# Altium PCB GEM_AFE_128.PcbDoc (part 8 of 18) (continued)
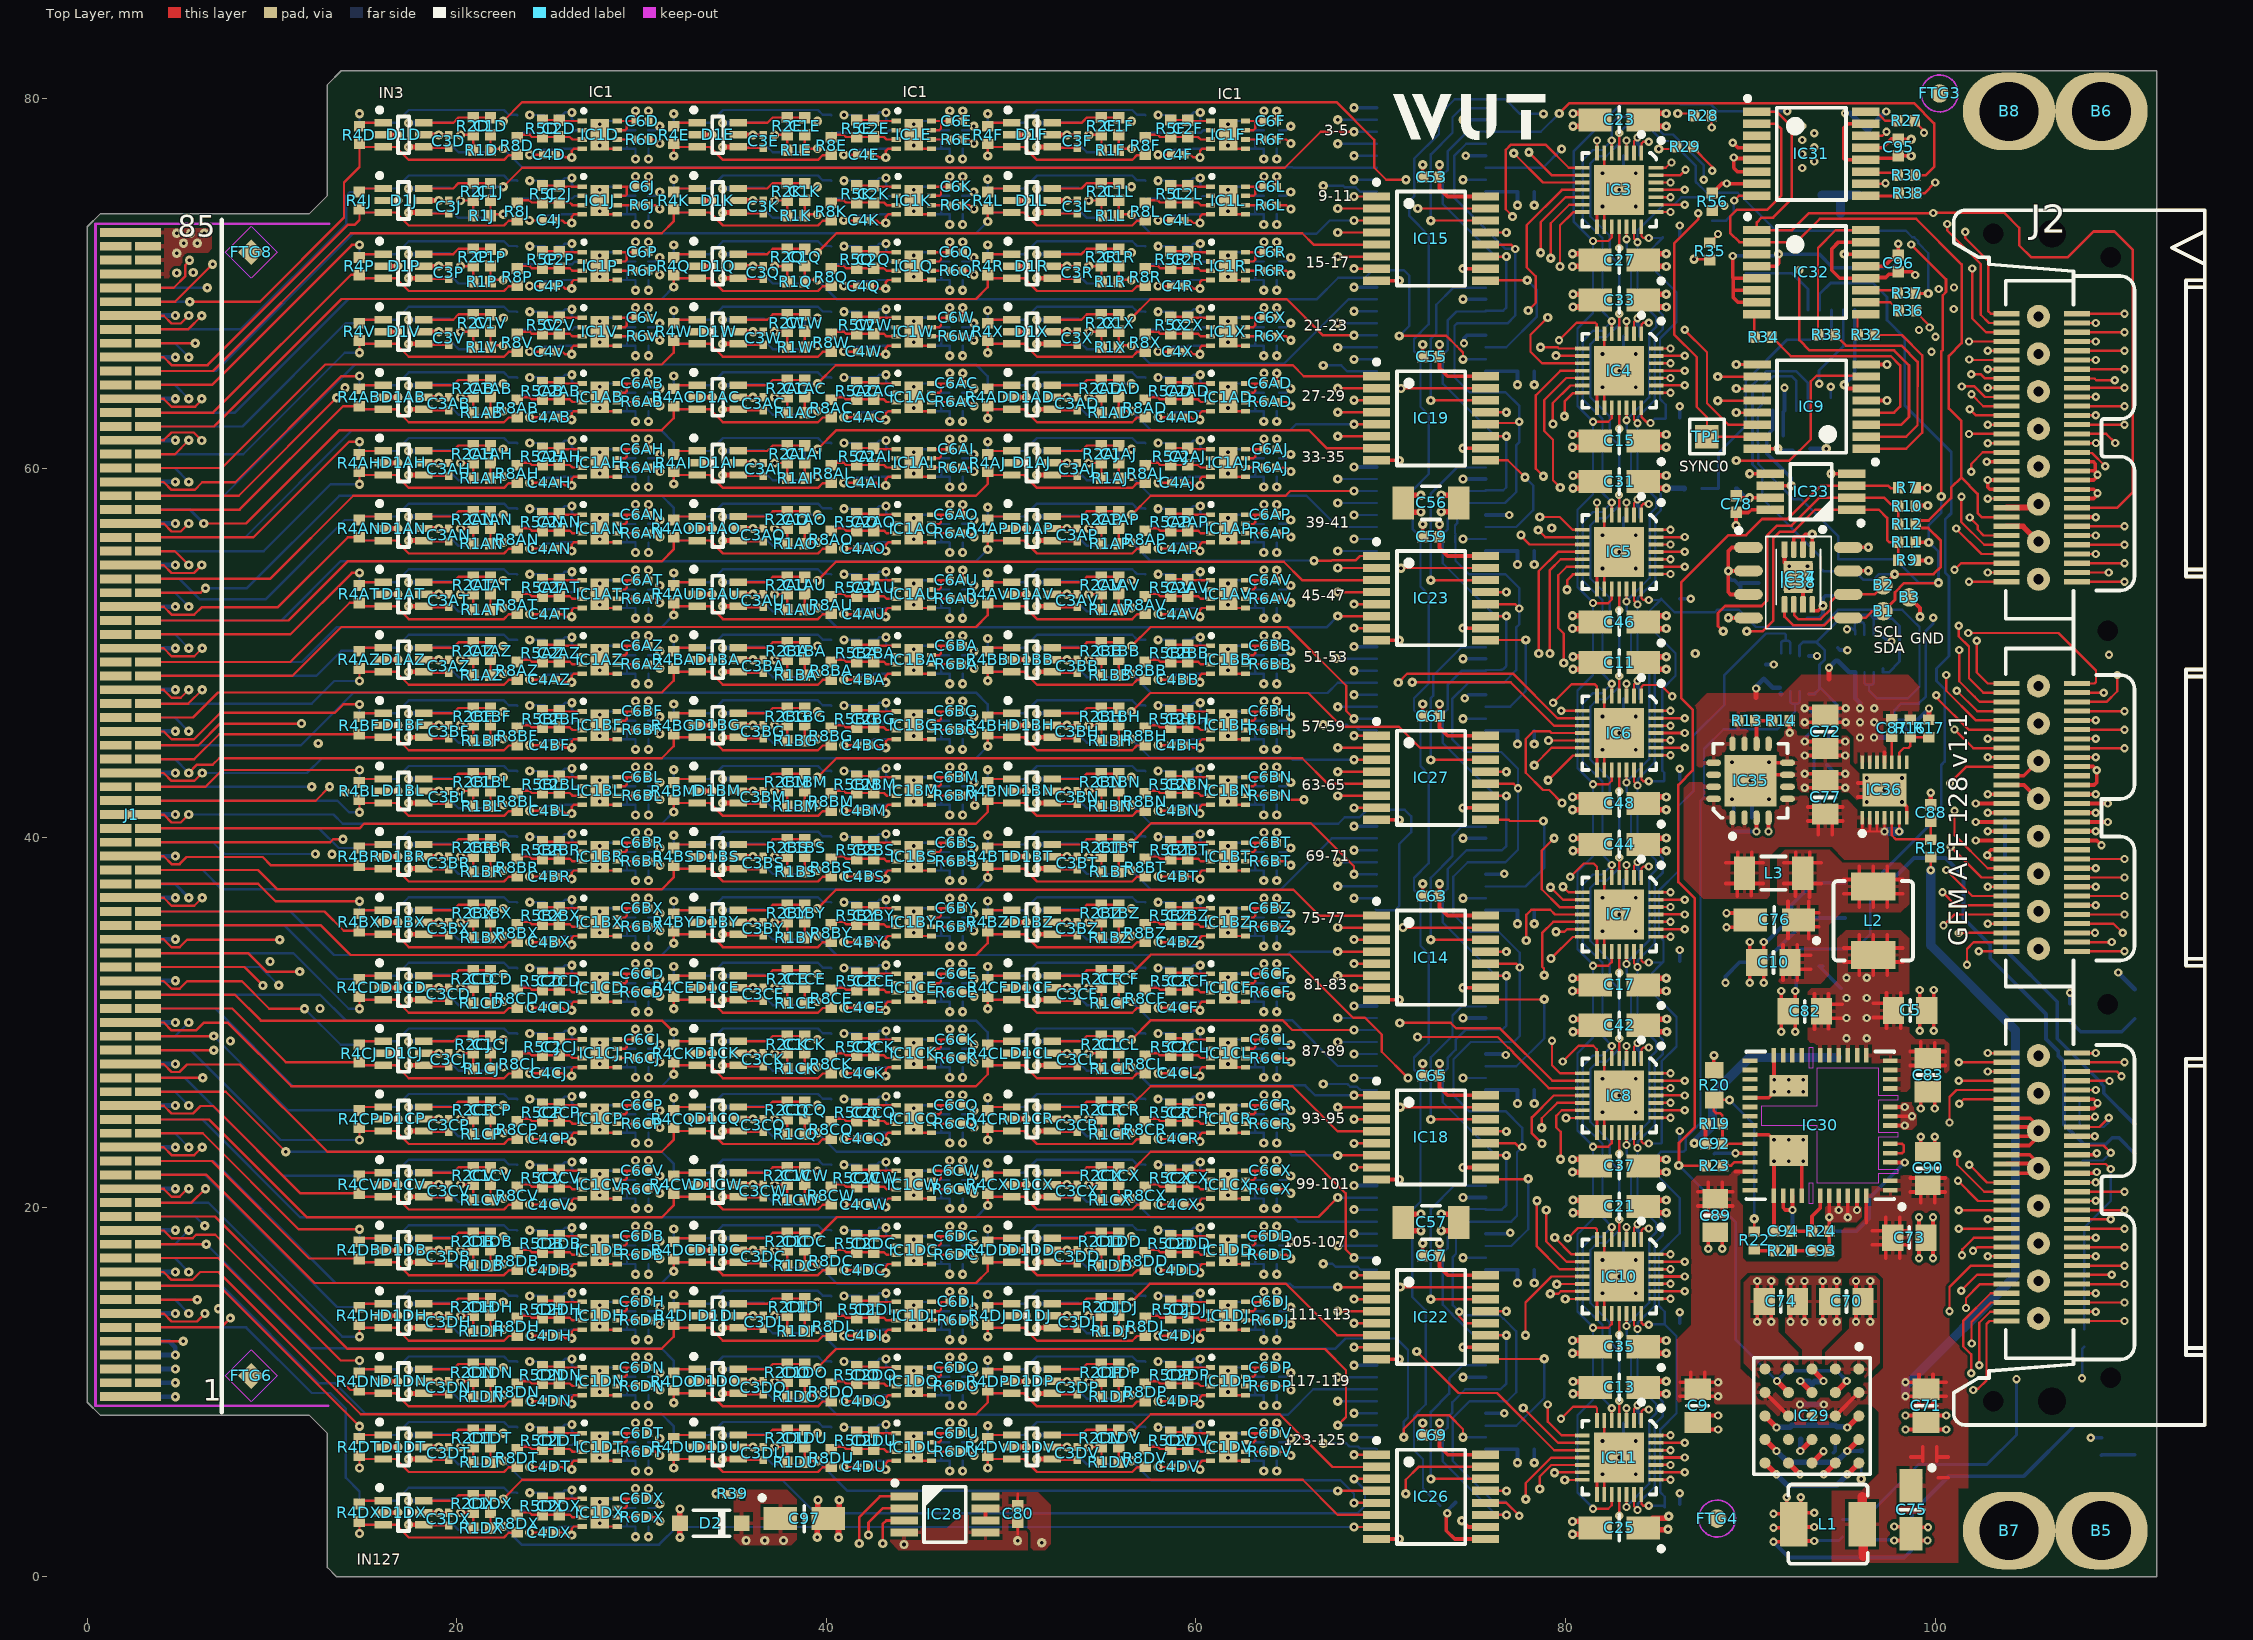
[diagram p0: Top Layer view]
## Nets (pads, with @x,y where several pads share a name; then routed paths per layer and width w, separated by ;. In a path a pad name is that pad's centre, name@x,y a point inside that pad or via, vN(x,y) a via of type N, cw(c..) or ccw(c..) an arc to the next point about the centre after c; other vN are vias at no path point) (continued)
  Top Layer w0.127: D1DX.4@18.225,2.825 18.275,2.775 C3DX.1@19.625,2.775 ; D1DT.4@18.225,6.375 18.275,6.325 C3DT.1@19.625,6.325 ; D1DN.4@18.225,9.925 18.275,9.875 C3DN.1@19.625,9.875 ; D1DH.4@18.225,13.475 18.275,13.425 C3DH.1@19.625,13.425 ; D1DB.4@18.225,17.025 18.275,16.975 C3DB.1@19.625,16.975 ; D1CV.4@18.225,20.575 18.275,20.525 C3CV.1@19.625,20.525 ; D1CP.4@18.225,24.125 18.275,24.075 C3CP.1@19.625,24.075 ; D1CJ.4@18.225,27.675 18.275,27.625 C3CJ.1@19.625,27.625 ; D1CD.4@18.225,31.225 18.275,31.175 C3CD.1@19.625,31.175 ; D1BX.4@18.225,34.775 18.275,34.725 C3BX.1@19.625,34.725 ; D1BR.4@18.225,38.325 18.275,38.275 C3BR.1@19.625,38.275 ; D1BL.4@18.225,41.875 18.275,41.825 C3BL.1@19.625,41.825 ; D1BF.4@18.225,45.425 18.275,45.375 C3BF.1@19.625,45.375 ; D1AZ.4@18.225,48.975 18.275,48.925 C3AZ.1@19.625,48.925 ; D1AT.4@18.225,52.525 18.275,52.475 C3AT.1@19.625,52.475 ; D1AN.4@18.225,56.075 18.275,56.025 C3AN.1@19.625,56.025 ; D1AH.4@18.225,59.625 18.275,59.575 C3AH.1@19.625,59.575 ; D1AB.4@18.225,63.175 18.275,63.125 C3AB.1@19.625,63.125 ; D1V.4@18.225,66.725 18.275,66.675 C3V.1@19.625,66.675 ; D1P.4@18.225,70.275 18.275,70.225 C3P.1@19.625,70.225 ; D1J.4@18.225,73.825 18.275,73.775 C3J.1@19.625,73.775 ; D1D.4@18.225,77.375 18.275,77.325 C3D.1@19.625,77.325 ; v1(20.199,3.475) R2DX.1@20.887,3.475 R1DX.1@20.887,2.641 ; v1(20.199,7.025) R2DT.1@20.887,7.025 R1DT.1@20.887,6.191 ; v1(20.199,10.575) R2DN.1@20.887,10.575 R1DN.1@20.887,9.741 ; v1(20.199,14.125) R2DH.1@20.887,14.125 R1DH.1@20.887,13.291 ; v1(20.199,17.675) R2DB.1@20.887,17.675 R1DB.1@20.887,16.841 ; v1(20.199,21.225) R2CV.1@20.887,21.225 R1CV.1@20.887,20.391 ; v1(20.199,24.775) R2CP.1@20.887,24.775 R1CP.1@20.887,23.941 ; v1(20.199,28.325) R2CJ.1@20.887,28.325 R1CJ.1@20.887,27.491 ; v1(20.199,31.875) R2CD.1@20.887,31.875 R1CD.1@20.887,31.041 ; v1(20.199,35.425) R2BX.1@20.887,35.425 R1BX.1@20.887,34.591 ; v1(20.199,38.975) R2BR.1@20.887,38.975 R1BR.1@20.887,38.141 ; v1(20.199,42.525) R2BL.1@20.887,42.525 R1BL.1@20.887,41.691 ; v1(20.199,46.075) R2BF.1@20.887,46.075 R1BF.1@20.887,45.241 ; v1(20.199,49.625) R2AZ.1@20.887,49.625 ; v1(20.199,53.175) R2AT.1@20.887,53.175 R1AT.1@20.887,52.341 ; v1(20.199,56.725) R2AN.1@20.887,56.725 R1AN.1@20.887,55.891 ; v1(20.199,60.275) R2AH.1@20.887,60.275 R1AH.1@20.887,59.441 ; v1(20.199,63.825) R2AB.1@20.887,63.825 R1AB.1@20.887,62.991 ; v1(20.199,67.375) R2V.1@20.887,67.375 R1V.1@20.887,66.541 ; v1(20.199,70.925) R2P.1@20.887,70.925 R1P.1@20.887,70.091 ; v1(20.199,74.475) R2J.1@20.887,74.475 R1J.1@20.887,73.641 ; v1(20.199,78.025) R2D.1@20.887,78.025 R1D.1@20.887,77.191 ; R1AZ.1@20.887,48.791 R2AZ.1@20.887,49.625 ; v1@23.975,2.4 23.98,2.395 C4DX.1@24.764,2.395 ; v1@23.975,5.95 23.98,5.945 C4DT.1@24.664,5.945 C4DT.1@24.764,5.945 ; v1@23.975,9.5 23.98,9.495 C4DN.1@24.764,9.495 ; v1@23.975,13.05 23.98,13.045 C4DH.1@24.764,13.045 ; v1@23.975,16.6 23.98,16.595 C4DB.1@24.764,16.595 ; v1@23.975,20.15 23.98,20.145 C4CV.1@24.764,20.145 ; v1@23.975,23.7 23.98,23.695 C4CP.1@24.764,23.695 ; v1@23.975,27.25 23.98,27.245 C4CJ.1@24.764,27.245 ; v1@23.975,30.8 23.98,30.795 C4CD.1@24.764,30.795 ; v1@23.975,34.35 23.98,34.345 C4BX.1@24.764,34.345 ; v1@23.975,37.9 23.98,37.895 C4BR.1@24.764,37.895 ; v1@23.975,41.45 23.98,41.445 C4BL.1@24.764,41.445 ; v1@23.975,45 23.98,44.995 C4BF.1@24.764,44.995 ; v1@23.975,48.55 23.98,48.545 C4AZ.1@24.764,48.545 ; v1@23.975,52.1 23.98,52.095 C4AT.1@24.764,52.095 ; v1@23.975,55.65 23.98,55.645 C4AN.1@24.764,55.645 ; v1@23.975,59.2 23.98,59.195 C4AH.1@24.764,59.195 ; v1@23.975,62.75 23.98,62.745 C4AB.1@24.764,62.745 ; v1@23.975,66.3 23.98,66.295 C4V.1@24.764,66.295 ; v1@23.975,69.85 23.98,69.845 C4P.1@24.764,69.845 ; v1@23.975,73.4 23.98,73.395 C4J.1@24.764,73.395 ; v1@23.975,76.95 23.98,76.945 C4D.1@24.764,76.945 ; IC1DX.9@27.697,2.725 IC1DX.5@28.675,2.725 ; IC1DT.9@27.697,6.275 IC1DT.5@28.675,6.275 ; IC1DN.9@27.697,9.825 IC1DN.5@28.675,9.825 ; IC1DH.9@27.697,13.375 IC1DH.5@28.675,13.375 ; IC1DB.9@27.697,16.925 IC1DB.5@28.675,16.925 ; IC1CV.9@27.697,20.475 IC1CV.5@28.675,20.475 ; IC1CP.9@27.697,24.025 IC1CP.5@28.675,24.025 ; IC1CJ.9@27.697,27.575 IC1CJ.5@28.675,27.575 ; IC1CD.9@27.697,31.125 IC1CD.5@28.675,31.125 ; IC1BX.9@27.697,34.675 IC1BX.5@28.675,34.675 ; IC1BR.9@27.697,38.225 IC1BR.5@28.675,38.225 ; IC1BL.9@27.697,41.775 IC1BL.5@28.675,41.775 ; IC1BF.9@27.697,45.325 IC1BF.5@28.675,45.325 ; IC1AZ.9@27.697,48.875 IC1AZ.5@28.675,48.875 ; IC1AT.9@27.697,52.425 IC1AT.5@28.675,52.425 ; IC1AN.9@27.697,55.975 IC1AN.5@28.675,55.975 ; IC1AH.9@27.697,59.525 IC1AH.5@28.675,59.525 ; IC1AB.9@27.697,63.075 IC1AB.5@28.675,63.075 ; IC1V.9@27.697,66.625 IC1V.5@28.675,66.625 ; IC1P.9@27.697,70.175 IC1P.5@28.675,70.175 ; IC1J.9@27.697,73.725 IC1J.5@28.675,73.725 ; IC1D.9@27.697,77.275 IC1D.5@28.675,77.275 ; C6DX.1@30.375,4.225 C6DX.1@30.375,4.225 30.376,4.775 v1(30.377,4.776) ; C6DT.1@30.375,7.775 30.376,7.776 v1@30.376,8.325 ; C6DN.1@30.375,11.325 C6DN.1@30.375,11.325 30.376,11.875 v1(30.377,11.876) ; C6DH.1@30.375,14.875 C6DH.1@30.375,14.875 30.376,15.425 v1(30.377,15.426) ; C6DB.1@30.375,18.425 30.376,18.426 30.376,18.975 v1(30.377,18.976) ; C6CV.1@30.375,21.975 C6CV.1@30.375,21.975 30.376,22.525 v1(30.377,22.526) ; C6CP.1@30.375,25.525 C6CP.1@30.375,25.525 30.376,26.075 v1(30.377,26.076) ; C6CJ.1@30.375,29.075 30.376,29.076 30.376,29.625 v1(30.377,29.626) ; C6CD.1@30.375,32.625 C6CD.1@30.375,32.625 v1@30.376,33.175 ; C6BX.1@30.375,36.175 30.376,36.176 30.376,36.725 v1(30.377,36.726) ; C6BR.1@30.375,39.725 30.376,39.726 30.376,40.275 v1(30.377,40.276) ; C6BL.1@30.375,43.275 C6BL.1@30.375,43.275 30.376,43.825 v1(30.377,43.826) ; C6BF.1@30.375,46.825 30.376,46.826 30.376,47.375 v1(30.377,47.376) ; C6AZ.1@30.375,50.375 C6AZ.1@30.375,50.375 30.376,50.925 v1(30.377,50.926) ; C6AT.1@30.375,53.925 C6AT.1@30.375,53.925 30.376,54.475 v1(30.377,54.476) ; C6AN.1@30.375,57.475 30.376,57.476 30.376,58.025 v1(30.377,58.026) ; C6AH.1@30.375,61.025 C6AH.1@30.375,61.025 30.376,61.575 v1(30.377,61.576) ; C6AB.1@30.375,64.575 C6AB.1@30.375,64.575 30.376,65.125 v1(30.377,65.126) ; C6V.1@30.375,68.125 30.376,68.126 30.376,68.675 v1(30.377,68.676) ; C6P.1@30.375,71.675 C6P.1@30.375,71.675 v1@30.376,72.225 ; C6J.1@30.375,75.225 30.376,75.226 30.376,75.775 v1(30.377,75.776) ; C6D.1@30.375,78.775 30.376,78.776 30.376,79.325 v1(30.377,79.326) ; D1DU.4@35.225,6.375 35.275,6.325 C3DU.1@36.625,6.325 ; D1DO.4@35.225,9.925 35.275,9.875 C3DO.1@36.625,9.875 ; D1DI.4@35.225,13.475 35.275,13.425 C3DI.1@36.625,13.425 ; D1DC.4@35.225,17.025 35.275,16.975 C3DC.1@36.625,16.975 ; D1CW.4@35.225,20.575 35.275,20.525 C3CW.1@36.625,20.525 ; D1CQ.4@35.225,24.125 35.275,24.075 C3CQ.1@36.625,24.075 ; D1CK.4@35.225,27.675 35.275,27.625 C3CK.1@36.625,27.625 ; D1CE.4@35.225,31.225 35.275,31.175 C3CE.1@36.625,31.175 ; D1BY.4@35.225,34.775 35.275,34.725 C3BY.1@36.625,34.725 ; D1BS.4@35.225,38.325 35.275,38.275 C3BS.1@36.625,38.275 ; D1BM.4@35.225,41.875 35.275,41.825 C3BM.1@36.625,41.825 ; D1BG.4@35.225,45.425 35.275,45.375 C3BG.1@36.625,45.375 ; D1BA.4@35.225,48.975 35.275,48.925 C3BA.1@36.625,48.925 ; D1AU.4@35.225,52.525 35.275,52.475 C3AU.1@36.625,52.475 ; D1AO.4@35.225,56.075 35.275,56.025 C3AO.1@36.625,56.025 ; D1AI.4@35.225,59.625 35.275,59.575 C3AI.1@36.625,59.575 ; D1AC.4@35.225,63.175 35.275,63.125 C3AC.1@36.625,63.125 ; D1W.4@35.225,66.725 35.275,66.675 C3W.1@36.625,66.675 ; D1Q.4@35.225,70.275 35.275,70.225 C3Q.1@36.625,70.225 ; D1K.4@35.225,73.825 35.275,73.775 C3K.1@36.625,73.775 ; D1E.4@35.225,77.375 35.275,77.325 C3E.1@36.625,77.325 ; v1(37.199,7.025) R2DU.1@37.887,7.025 R1DU.1@37.887,6.191 ; v1(37.199,10.575) R2DO.1@37.887,10.575 R1DO.1@37.887,9.741 ; v1(37.199,14.125) R2DI.1@37.887,14.125 R1DI.1@37.887,13.291 ; v1(37.199,17.675) R2DC.1@37.887,17.675 R1DC.1@37.887,16.841 ; v1(37.199,21.225) R2CW.1@37.887,21.225 R1CW.1@37.887,20.391 ; v1(37.199,24.775) R2CQ.1@37.887,24.775 R1CQ.1@37.887,23.941 ; v1(37.199,28.325) R2CK.1@37.887,28.325 R1CK.1@37.887,27.491 ; v1(37.199,31.875) R2CE.1@37.887,31.875 R1CE.1@37.887,31.041 ; v1(37.199,35.425) R2BY.1@37.887,35.425 R1BY.1@37.887,34.591 ; v1(37.199,38.975) R2BS.1@37.887,38.975 R1BS.1@37.887,38.141 ; v1(37.199,42.525) R2BM.1@37.887,42.525 R1BM.1@37.887,41.691 ; v1(37.199,46.075) R2BG.1@37.887,46.075 R1BG.1@37.887,45.241 ; v1(37.199,49.625) R2BA.1@37.887,49.625 ; v1(37.199,53.175) R2AU.1@37.887,53.175 R1AU.1@37.887,52.341 ; v1(37.199,56.725) R2AO.1@37.887,56.725 R1AO.1@37.887,55.891 ; v1(37.199,60.275) R2AI.1@37.887,60.275 R1AI.1@37.887,59.441 ; v1(37.199,63.825) R2AC.1@37.887,63.825 R1AC.1@37.887,62.991 ; v1(37.199,67.375) R2W.1@37.887,67.375 R1W.1@37.887,66.541 ; v1(37.199,70.925) R2Q.1@37.887,70.925 R1Q.1@37.887,70.091 ; v1(37.199,74.475) R2K.1@37.887,74.475 R1K.1@37.887,73.641 ; v1(37.199,78.025) R2E.1@37.887,78.025 R1E.1@37.887,77.191 ; R1BA.1@37.887,48.791 R2BA.1@37.887,49.625 ; v1(39.507,2.138) v1@39.508,2.14 ; v1@39.542,4.174 v1@39.543,4.175 ; v1@40.657,2.125 v1@40.658,2.126 ; v1@40.692,4.16 v1(40.693,4.162) ; v1@40.975,5.95 40.98,5.945 C4DU.1@41.664,5.945 C4DU.1@41.764,5.945 ; v1@40.975,9.5 40.98,9.495 C4DO.1@41.764,9.495 ; v1@40.975,13.05 40.98,13.045 C4DI.1@41.764,13.045 ; v1@40.975,16.6 40.98,16.595 C4DC.1@41.764,16.595 ; v1@40.975,20.15 40.98,20.145 C4CW.1@41.764,20.145 ; v1@40.975,23.7 40.98,23.695 C4CQ.1@41.764,23.695 ; v1@40.975,27.25 40.98,27.245 C4CK.1@41.764,27.245 ; v1@40.975,30.8 40.98,30.795 C4CE.1@41.764,30.795 ; v1@40.975,34.35 40.98,34.345 C4BY.1@41.764,34.345 ; v1@40.975,37.9 40.98,37.895 C4BS.1@41.764,37.895 ; v1@40.975,41.45 40.98,41.445 C4BM.1@41.764,41.445 ; v1@40.975,45 40.98,44.995 C4BG.1@41.764,44.995 ; v1@40.975,48.55 40.98,48.545 C4BA.1@41.764,48.545 ; v1@40.975,52.1 40.98,52.095 C4AU.1@41.764,52.095 ; v1@40.975,55.65 40.98,55.645 C4AO.1@41.764,55.645 ; v1@40.975,59.2 40.98,59.195 C4AI.1@41.764,59.195 ; v1@40.975,62.75 40.98,62.745 C4AC.1@41.764,62.745 ; v1@40.975,66.3 40.98,66.295 C4W.1@41.764,66.295 ; v1@40.975,69.85 40.98,69.845 C4Q.1@41.764,69.845 ; v1@40.975,73.4 40.98,73.395 C4K.1@41.764,73.395 ; v1@40.975,76.95 40.98,76.945 C4E.1@41.764,76.945 ; IC1DU.9@44.697,6.275 IC1DU.5@45.675,6.275 ; IC1DO.9@44.697,9.825 IC1DO.5@45.675,9.825 ; IC1DI.9@44.697,13.375 IC1DI.5@45.675,13.375 ; IC1DC.9@44.697,16.925 IC1DC.5@45.675,16.925 ; IC1CW.9@44.697,20.475 IC1CW.5@45.675,20.475 ; IC1CQ.9@44.697,24.025 IC1CQ.5@45.675,24.025 ; IC1CK.9@44.697,27.575 IC1CK.5@45.675,27.575 ; IC1CE.9@44.697,31.125 IC1CE.5@45.675,31.125 ; IC1BY.9@44.697,34.675 IC1BY.5@45.675,34.675 ; IC1BS.9@44.697,38.225 IC1BS.5@45.675,38.225 ; IC1BM.9@44.697,41.775 IC1BM.5@45.675,41.775 ; IC1BG.9@44.697,45.325 IC1BG.5@45.675,45.325 ; IC1BA.9@44.697,48.875 IC1BA.5@45.675,48.875 ; IC1AU.9@44.697,52.425 IC1AU.5@45.675,52.425 ; IC1AO.9@44.697,55.975 IC1AO.5@45.675,55.975 ; IC1AI.9@44.697,59.525 IC1AI.5@45.675,59.525 ; IC1AC.9@44.697,63.075 IC1AC.5@45.675,63.075 ; IC1W.9@44.697,66.625 IC1W.5@45.675,66.625 ; IC1Q.9@44.697,70.175 IC1Q.5@45.675,70.175 ; IC1K.9@44.697,73.725 IC1K.5@45.675,73.725 ; IC1E.9@44.697,77.275 IC1E.5@45.675,77.275 ; C6DU.1@47.375,7.775 47.376,7.776 47.376,8.325 v1(47.377,8.326) ; C6DO.1@47.375,11.325 C6DO.1@47.375,11.325 47.376,11.875 v1(47.377,11.876) ; C6DI.1@47.375,14.875 C6DI.1@47.375,14.875 47.376,15.425 v1(47.377,15.426) ; C6DC.1@47.375,18.425 47.376,18.426 47.376,18.975 v1(47.377,18.976) ; C6CW.1@47.375,21.975 C6CW.1@47.375,21.975 47.376,22.525 v1(47.377,22.526) ; C6CQ.1@47.375,25.525 C6CQ.1@47.375,25.525 47.376,26.075 v1(47.377,26.076) ; C6CK.1@47.375,29.075 47.376,29.076 47.376,29.625 v1(47.377,29.626) ; C6CE.1@47.375,32.625 C6CE.1@47.375,32.625 47.376,33.175 v1(47.377,33.176) ; C6BY.1@47.375,36.175 47.376,36.176 47.376,36.725 v1(47.377,36.726) ; C6BS.1@47.375,39.725 47.376,39.726 47.376,40.275 v1(47.377,40.276) ; C6BM.1@47.375,43.275 C6BM.1@47.375,43.275 47.376,43.825 v1(47.377,43.826) ; C6BG.1@47.375,46.825 47.376,46.826 47.376,47.375 v1(47.377,47.376) ; C6BA.1@47.375,50.375 C6BA.1@47.375,50.375 47.376,50.925 v1(47.377,50.926) ; C6AU.1@47.375,53.925 C6AU.1@47.375,53.925 47.376,54.475 v1(47.377,54.476) ; C6AO.1@47.375,57.475 47.376,57.476 47.376,58.025 v1(47.377,58.026) ; C6AI.1@47.375,61.025 C6AI.1@47.375,61.025 47.376,61.575 v1(47.377,61.576) ; C6AC.1@47.375,64.575 C6AC.1@47.375,64.575 47.376,65.125 v1(47.377,65.126) ; C6W.1@47.375,68.125 47.376,68.126 47.376,68.675 v1(47.377,68.676) ; C6Q.1@47.375,71.675 C6Q.1@47.375,71.675 47.376,72.225 v1(47.377,72.226) ; C6K.1@47.375,75.225 47.376,75.226 47.376,75.775 v1(47.377,75.776) ; C6E.1@47.375,78.775 47.376,78.776 47.376,79.325 v1(47.377,79.326) ; 50.35,2.294 C80.2@50.35,2.966 ; D1DV.4@52.225,6.375 52.275,6.325 C3DV.1@53.625,6.325 ; D1DP.4@52.225,9.925 52.275,9.875 C3DP.1@53.625,9.875 ; D1DJ.4@52.225,13.475 52.275,13.425 C3DJ.1@53.625,13.425 ; D1DD.4@52.225,17.025 52.275,16.975 C3DD.1@53.625,16.975 ; D1CX.4@52.225,20.575 52.275,20.525 C3CX.1@53.625,20.525 ; D1CR.4@52.225,24.125 52.275,24.075 C3CR.1@53.625,24.075 ; D1CL.4@52.225,27.675 52.275,27.625 C3CL.1@53.625,27.625 ; D1CF.4@52.225,31.225 52.275,31.175 C3CF.1@53.625,31.175 ; D1BZ.4@52.225,34.775 52.275,34.725 C3BZ.1@53.625,34.725 ; D1BT.4@52.225,38.325 52.275,38.275 C3BT.1@53.625,38.275 ; D1BN.4@52.225,41.875 52.275,41.825 C3BN.1@53.625,41.825 ; D1BH.4@52.225,45.425 52.275,45.375 C3BH.1@53.625,45.375 ; D1BB.4@52.225,48.975 52.275,48.925 C3BB.1@53.625,48.925 ; D1AV.4@52.225,52.525 52.275,52.475 C3AV.1@53.625,52.475 ; D1AP.4@52.225,56.075 52.275,56.025 C3AP.1@53.625,56.025 ; D1AJ.4@52.225,59.625 52.275,59.575 C3AJ.1@53.625,59.575 ; D1AD.4@52.225,63.175 52.275,63.125 C3AD.1@53.625,63.125 ; D1X.4@52.225,66.725 52.275,66.675 C3X.1@53.625,66.675 ; D1R.4@52.225,70.275 52.275,70.225 C3R.1@53.625,70.225 ; D1L.4@52.225,73.825 52.275,73.775 C3L.1@53.625,73.775 ; D1F.4@52.225,77.375 52.275,77.325 C3F.1@53.625,77.325 ; v1(54.199,7.025) R2DV.1@54.887,7.025 R1DV.1@54.887,6.191 ; v1(54.199,10.575) R2DP.1@54.887,10.575 R1DP.1@54.887,9.741 ; v1(54.199,14.125) R2DJ.1@54.887,14.125 R1DJ.1@54.887,13.291 ; v1(54.199,17.675) R2DD.1@54.887,17.675 R1DD.1@54.887,16.841 ; v1(54.199,21.225) R2CX.1@54.887,21.225 R1CX.1@54.887,20.391 ; v1(54.199,24.775) R2CR.1@54.887,24.775 R1CR.1@54.887,23.941 ; v1(54.199,28.325) R2CL.1@54.887,28.325 R1CL.1@54.887,27.491 ; v1(54.199,31.875) R2CF.1@54.887,31.875 R1CF.1@54.887,31.041 ; v1(54.199,35.425) R2BZ.1@54.887,35.425 R1BZ.1@54.887,34.591 ; v1(54.199,38.975) R2BT.1@54.887,38.975 R1BT.1@54.887,38.141 ; v1(54.199,42.525) R2BN.1@54.887,42.525 R1BN.1@54.887,41.691 ; v1(54.199,46.075) R2BH.1@54.887,46.075 R1BH.1@54.887,45.241 ; v1(54.199,49.625) R2BB.1@54.887,49.625 ; v1(54.199,53.175) R2AV.1@54.887,53.175 R1AV.1@54.887,52.341 ; v1(54.199,56.725) R2AP.1@54.887,56.725 R1AP.1@54.887,55.891 ; v1(54.199,60.275) R2AJ.1@54.887,60.275 R1AJ.1@54.887,59.441 ; v1(54.199,63.825) R2AD.1@54.887,63.825 R1AD.1@54.887,62.991 ; v1(54.199,67.375) R2X.1@54.887,67.375 R1X.1@54.887,66.541 ; v1(54.199,70.925) R2R.1@54.887,70.925 R1R.1@54.887,70.091 ; v1(54.199,74.475) R2L.1@54.887,74.475 R1L.1@54.887,73.641 ; v1(54.199,78.025) R2F.1@54.887,78.025 R1F.1@54.887,77.191 ; R1BB.1@54.887,48.791 R2BB.1@54.887,49.625 ; v1@57.975,5.95 57.98,5.945 C4DV.1@58.664,5.945 C4DV.1@58.764,5.945 ; v1@57.975,9.5 57.98,9.495 C4DP.1@58.764,9.495 ; v1@57.975,13.05 57.98,13.045 C4DJ.1@58.764,13.045 ; v1@57.975,16.6 57.98,16.595 C4DD.1@58.764,16.595 ; v1@57.975,20.15 57.98,20.145 C4CX.1@58.764,20.145 ; v1@57.975,23.7 57.98,23.695 C4CR.1@58.764,23.695 ; v1@57.975,27.25 57.98,27.245 C4CL.1@58.764,27.245 ; v1@57.975,30.8 57.98,30.795 C4CF.1@58.764,30.795 ; v1@57.975,34.35 57.98,34.345 C4BZ.1@58.764,34.345 ; v1@57.975,37.9 57.98,37.895 C4BT.1@58.764,37.895 ; v1@57.975,41.45 57.98,41.445 C4BN.1@58.764,41.445 ; v1@57.975,45 57.98,44.995 C4BH.1@58.764,44.995 ; v1@57.975,48.55 57.98,48.545 C4BB.1@58.764,48.545 ; v1@57.975,52.1 57.98,52.095 C4AV.1@58.764,52.095 ; v1@57.975,55.65 57.98,55.645 C4AP.1@58.764,55.645 ; v1@57.975,59.2 57.98,59.195 C4AJ.1@58.764,59.195 ; v1@57.975,62.75 57.98,62.745 C4AD.1@58.764,62.745 ; v1@57.975,66.3 57.98,66.295 C4X.1@58.764,66.295 ; v1@57.975,69.85 57.98,69.845 C4R.1@58.764,69.845 ; v1@57.975,73.4 57.98,73.395 C4L.1@58.764,73.395 ; v1@57.975,76.95 57.98,76.945 C4F.1@58.764,76.945 ; IC1DV.9@61.697,6.275 IC1DV.5@62.675,6.275 ; IC1DP.9@61.697,9.825 IC1DP.5@62.675,9.825 ; IC1DJ.9@61.697,13.375 IC1DJ.5@62.675,13.375 ; IC1DD.9@61.697,16.925 IC1DD.5@62.675,16.925 ; IC1CX.9@61.697,20.475 IC1CX.5@62.675,20.475 ; IC1CR.9@61.697,24.025 IC1CR.5@62.675,24.025 ; IC1CL.9@61.697,27.575 IC1CL.5@62.675,27.575 ; IC1CF.9@61.697,31.125 IC1CF.5@62.675,31.125 ; IC1BZ.9@61.697,34.675 IC1BZ.5@62.675,34.675 ; IC1BT.9@61.697,38.225 IC1BT.5@62.675,38.225 ; IC1BN.9@61.697,41.775 IC1BN.5@62.675,41.775 ; IC1BH.9@61.697,45.325 IC1BH.5@62.675,45.325 ; IC1BB.9@61.697,48.875 IC1BB.5@62.675,48.875 ; IC1AV.9@61.697,52.425 IC1AV.5@62.675,52.425 ; IC1AP.9@61.697,55.975 IC1AP.5@62.675,55.975 ; IC1AJ.9@61.697,59.525 IC1AJ.5@62.675,59.525 ; IC1AD.9@61.697,63.075 IC1AD.5@62.675,63.075 ; IC1X.9@61.697,66.625 IC1X.5@62.675,66.625 ; IC1R.9@61.697,70.175 IC1R.5@62.675,70.175 ; IC1L.9@61.697,73.725 IC1L.5@62.675,73.725 ; IC1F.9@61.697,77.275 IC1F.5@62.675,77.275 ; C6DV.1@64.375,7.775 64.376,7.776 64.376,8.325 v1(64.377,8.326) ; C6DP.1@64.375,11.325 C6DP.1@64.375,11.325 64.376,11.875 v1(64.377,11.876) ; C6DJ.1@64.375,14.875 C6DJ.1@64.375,14.875 64.376,15.425 v1(64.377,15.426) ; C6DD.1@64.375,18.425 64.376,18.426 64.376,18.975 v1(64.377,18.976) ; C6CX.1@64.375,21.975 C6CX.1@64.375,21.975 64.376,22.525 v1(64.377,22.526) ; C6CR.1@64.375,25.525 C6CR.1@64.375,25.525 64.376,26.075 v1(64.377,26.076) ; C6CL.1@64.375,29.075 64.376,29.076 64.376,29.625 v1(64.377,29.626) ; C6CF.1@64.375,32.625 C6CF.1@64.375,32.625 64.376,33.175 v1(64.377,33.176) ; C6BZ.1@64.375,36.175 64.376,36.176 64.376,36.725 v1(64.377,36.726) ; C6BT.1@64.375,39.725 64.376,39.726 64.376,40.275 v1(64.377,40.276) ; C6BN.1@64.375,43.275 C6BN.1@64.375,43.275 64.376,43.825 v1(64.377,43.826) ; C6BH.1@64.375,46.825 64.376,46.826 64.376,47.375 v1(64.377,47.376) ; C6BB.1@64.375,50.375 C6BB.1@64.375,50.375 64.376,50.925 v1(64.377,50.926) ; C6AV.1@64.375,53.925 C6AV.1@64.375,53.925 64.376,54.475 v1(64.377,54.476) ; C6AP.1@64.375,57.475 64.376,57.476 64.376,58.025 v1(64.377,58.026) ; C6AJ.1@64.375,61.025 C6AJ.1@64.375,61.025 64.376,61.575 v1(64.377,61.576) ; C6AD.1@64.375,64.575 C6AD.1@64.375,64.575 64.376,65.125 v1(64.377,65.126) ; C6X.1@64.375,68.125 64.376,68.126 64.376,68.675 v1(64.377,68.676) ; C6R.1@64.375,71.675 C6R.1@64.375,71.675 64.376,72.225 v1(64.377,72.226) ; C6L.1@64.375,75.225 64.376,75.226 64.376,75.775 v1(64.377,75.776) ; C6F.1@64.375,78.775 64.376,78.776 64.376,79.325 v1(64.377,79.326) ; IC18.13@75.672,24.104 v1(76.797,24.104) v1@76.897,24.104 ; IC22.13@75.673,14.377 v1(76.798,14.377) v1@76.898,14.377 ; IC14.13@75.673,33.832 v1(76.798,33.832) v1@76.898,33.832 ; IC27.13@75.673,43.559 v1(76.798,43.559) v1@76.898,43.559 ; IC23.13@75.673,53.286 v1(76.798,53.286) v1@76.898,53.286 ; IC19.13@75.673,63.014 v1(76.798,63.014) v1@76.898,63.014 ; IC15.13@75.673,72.741 v1(76.798,72.741) v1@76.898,72.741 ; IC26.13@75.675,4.65 v1(76.8,4.65) v1@76.9,4.65 ; v1@30.376,8.325 v1(30.377,8.326) ; v1@30.376,33.175 v1(30.377,33.176) ; v1@30.376,72.225 v1(30.377,72.226)